# KiCad board heepidermis-bo.kicad_pcb
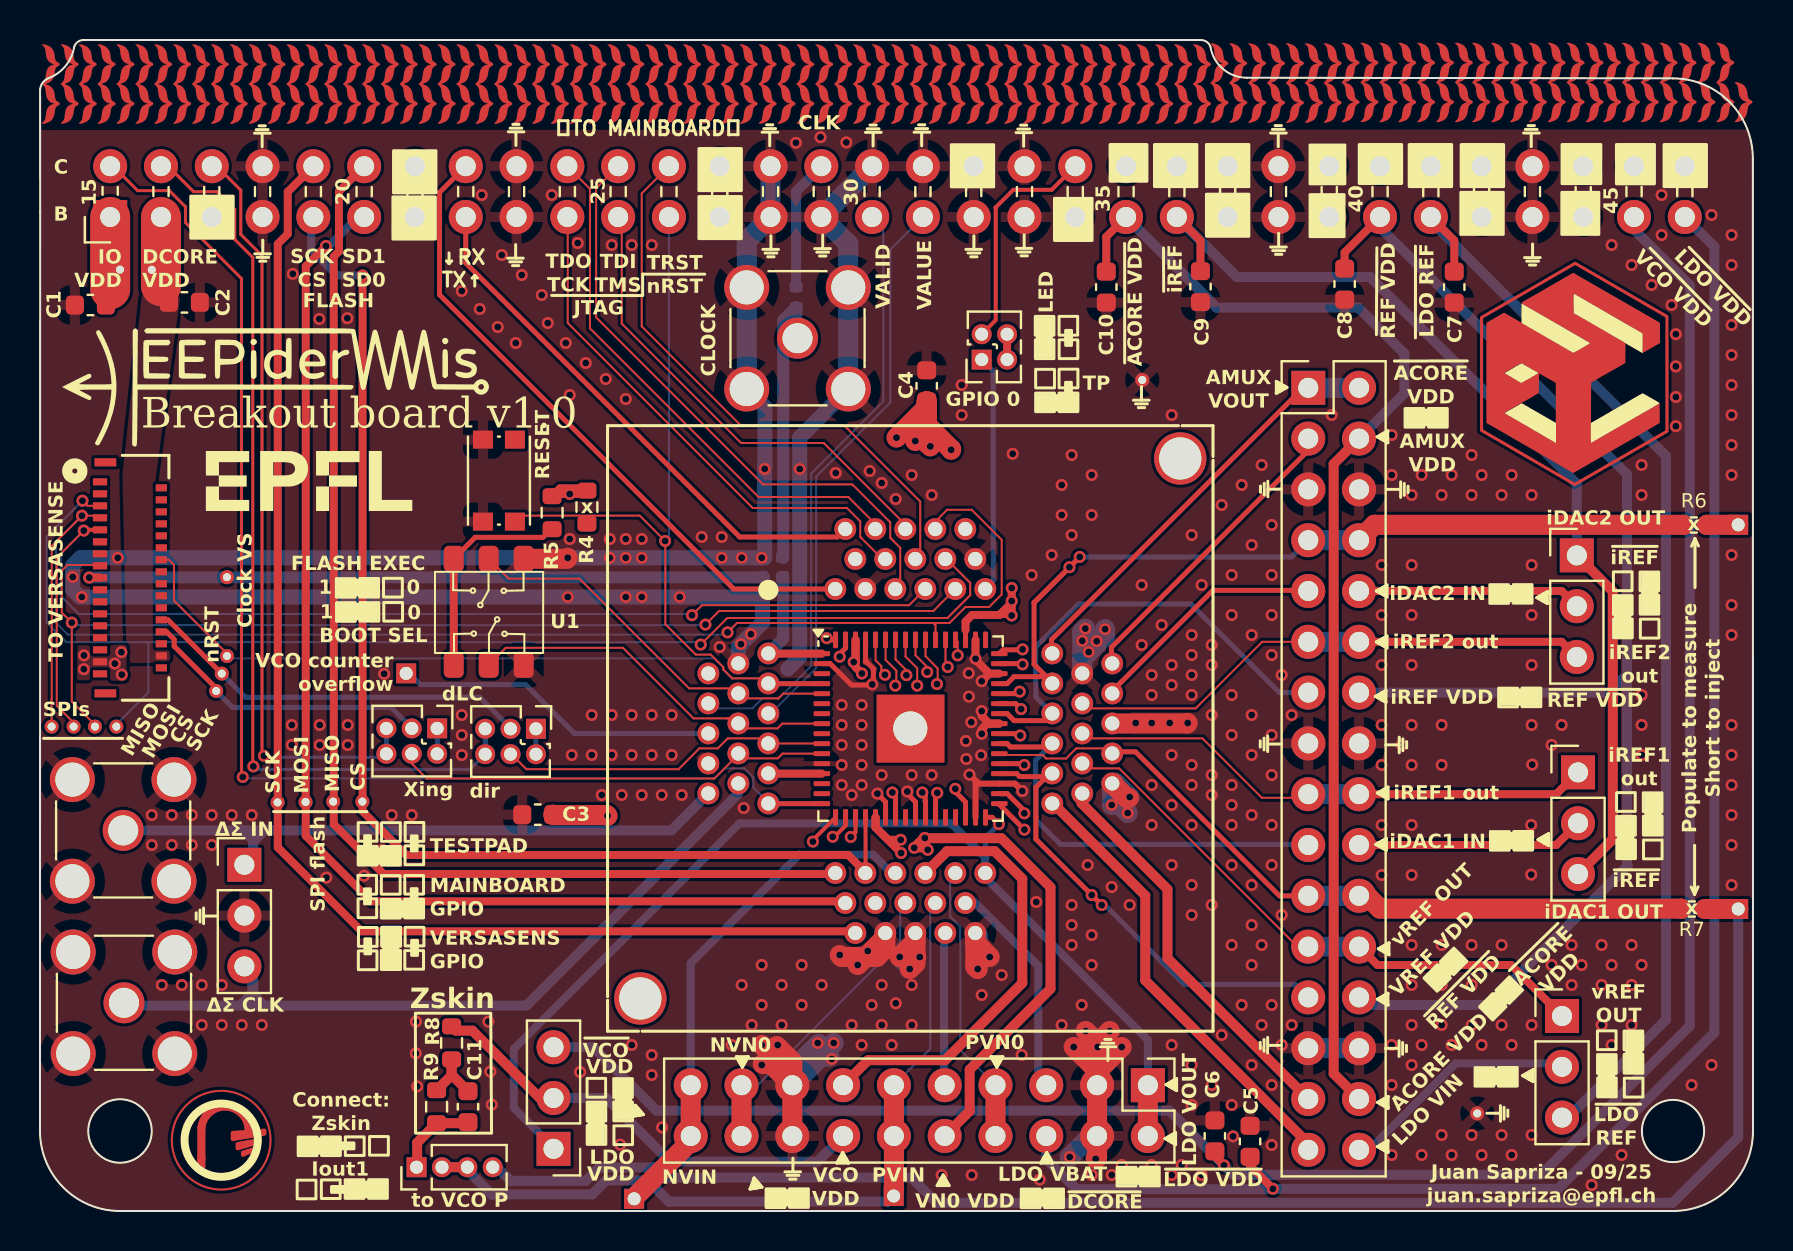
[diagram p0: board, top side]
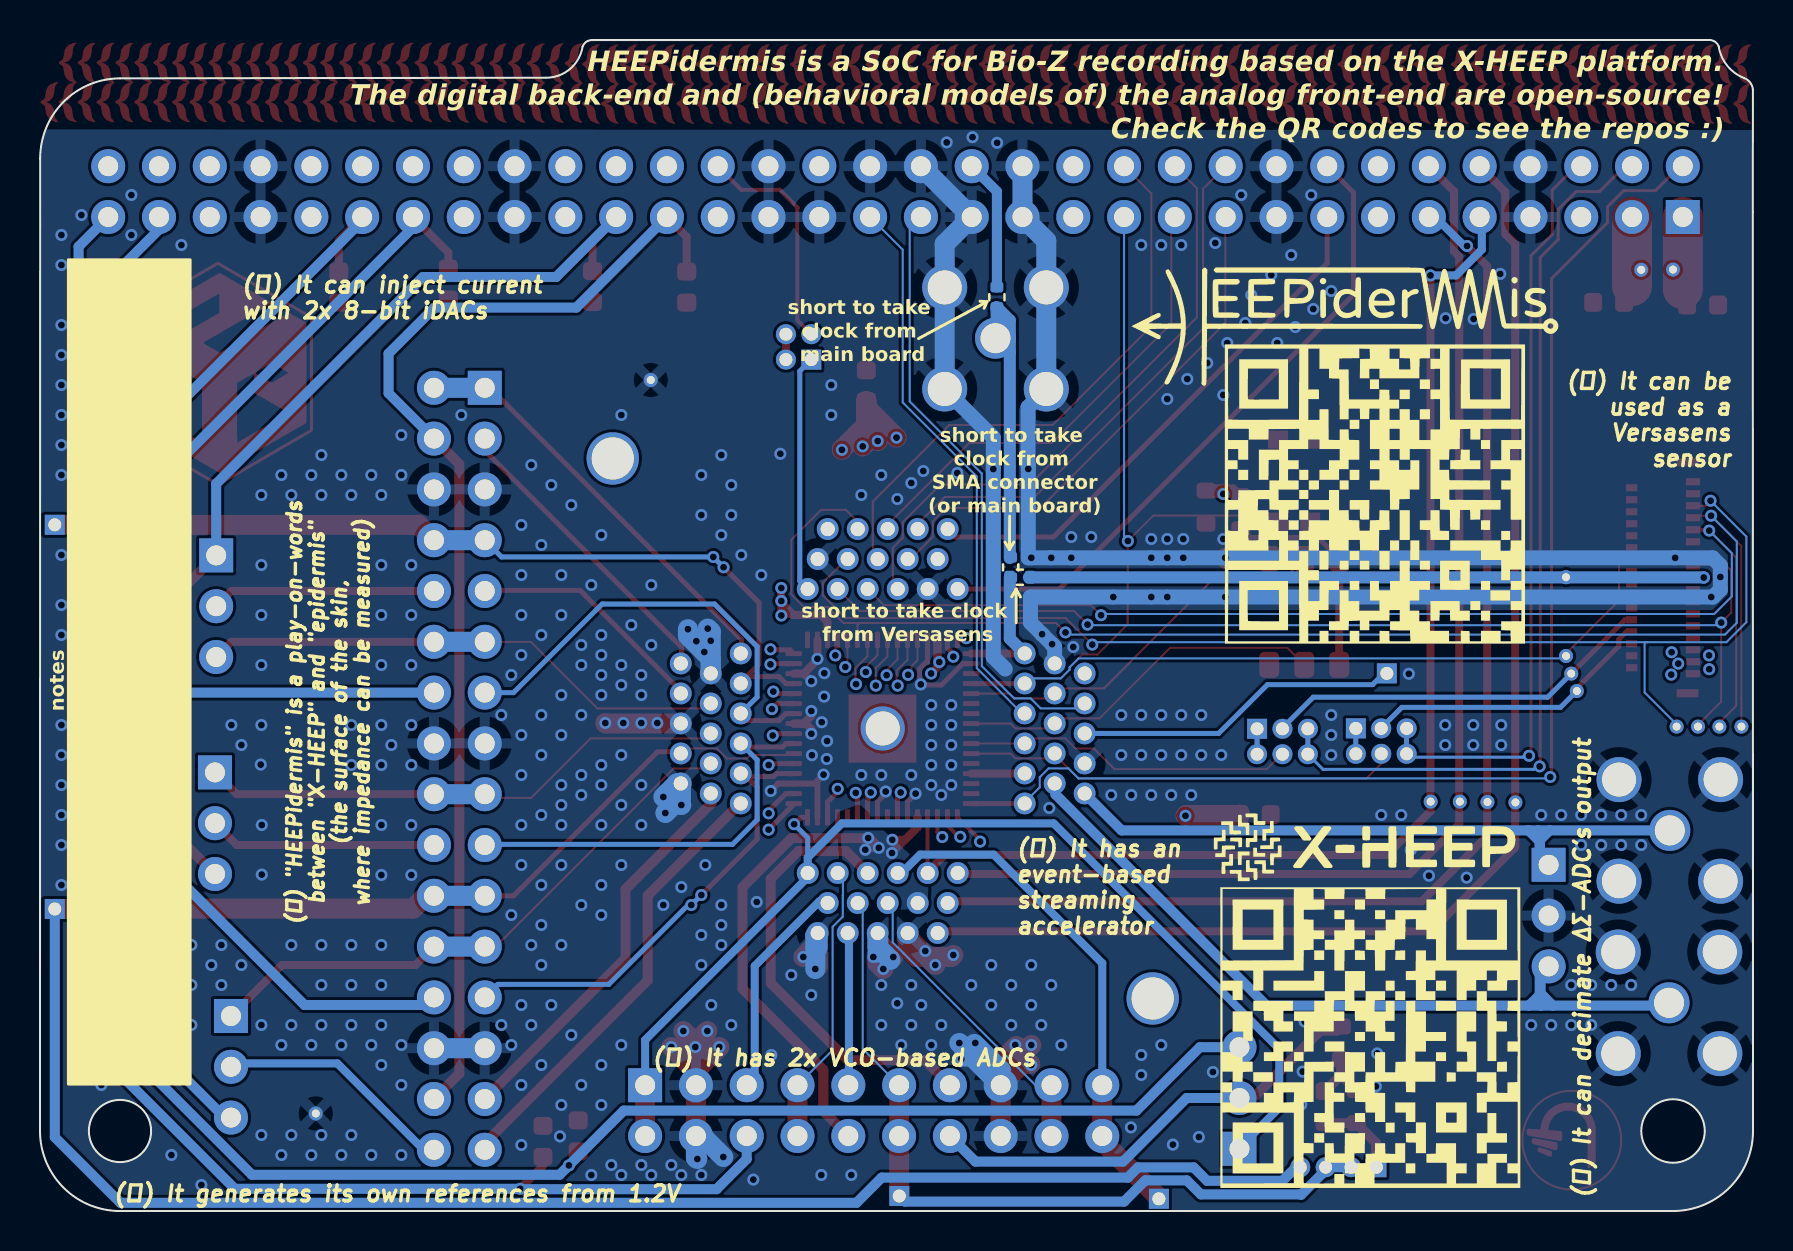
[diagram p1: board, bottom side, seen from below]

Outline 85.66 x 58.55 mm; copper layers: Top, In1.Cu, In2.Cu, Bottom. Coordinates in mm from the lower left corner of the outline.
Outline path: circle c4,4 r1.59 ; circle c81.66,4 r1.56 ; 0.01,56.07 arc(0.14,56.43) 0.45,56.65 arc(1.29,57.27) 1.71,58.22 arc(1.9,58.46) 2.19,58.55 58.05,58.55 arc(58.34,58.46) 58.52,58.22 ; 0.01,56.07 0.01,49.94 0,3.94 arc(1.17,1.17) 3.94,0 81.66,0 arc(84.49,1.17) 85.66,4 85.65,52.63 arc(84.48,55.46) 81.65,56.63 60.36,56.66 ; 60.35,56.66 arc(59.15,57.1) 58.53,58.22
Stack: Top 0.035mm / dielectric 0.2104mm FR4 er 4.5 / In1.Cu 0.0152mm / dielectric 1.065mm FR4 er 4.5 / In2.Cu 0.0152mm / dielectric 0.2104mm FR4 er 4.5 / Bottom 0.035mm

## Placement (name value [footprint] x y rotation side)
C1  100n  [C_0603_1608Metric]  2.52 45.3 180 top
C2  100n  [C_0603_1608Metric]  7.22 45.43 0 top
C3  100n  [C_0603_1608Metric]  24.89 19.82 180 top
C4  100n  [C_0603_1608Metric]  44.34 41.26 90 top
C5  100n  [C_0603_1608Metric]  60.51 3.48 90 top
C6  100n  [C_0603_1608Metric]  58.75 3.75 90 top
C7  100n  [C_0603_1608Metric]  70.72 46.19 270 top
C8  100n  [C_0603_1608Metric]  65.24 46.34 270 top
C9  100n  [C_0603_1608Metric]  58.03 46.22 270 top
C10  100n  [C_0603_1608Metric]  53.32 46.19 270 top
C11  Cp_skin  [C_0603_1608Metric]  21.4 5.21 270 top  (not fitted)
G***  -  [LOGO]  77.69 55.44 0 top
G***#2  -  [LOGO]  52.39 55.36 0 top
G***#3  -  [LOGO]  85.14 55.44 0 top
G***#4  -  [LOGO]  63.65 55.41 0 top
G***#5  -  [LOGO]  45.78 55.36 0 top
G***#6  -  [LOGO]  15.56 57.33 0 top
G***#7  -  [LOGO]  30.67 57.33 0 top
G***#8  -  [LOGO]  66.43 57.41 0 top
G***#9  -  [LOGO]  37.28 57.33 0 top
G***#10  -  [LOGO]  26.89 55.36 0 top
G***#11  -  [LOGO]  24.06 55.36 0 top
G***#12  -  [LOGO]  8.95 55.36 0 top
G***#13  -  [LOGO]  23.12 55.36 0 top
G***#14  -  [LOGO]  27.84 57.33 0 top
G***#15  -  [LOGO]  79.5 55.44 0 top
G***#16  -  [LOGO]  58.93 57.38 0 top
G***#17  -  [LOGO]  53.34 55.36 0 top
G***#18  -  [LOGO]  47.67 55.36 0 top
G***#19  -  [LOGO]  31.62 55.36 0 top
G***#20  -  [LOGO]  15.56 55.36 0 top
G***#21  -  [LOGO]  18.39 57.33 0 top
G***#22  -  [LOGO]  30.67 55.36 0 top
G***#23  -  [LOGO]  65.49 55.44 0 top
G***#24  -  [LOGO]  35.39 57.33 0 top
G***#25  -  [LOGO]  42.95 55.36 0 top
G***#26  -  [LOGO]  72.96 55.44 0 top
G***#27  -  [LOGO]  71.15 57.41 0 top
G***#28  -  [LOGO]  55.22 57.33 0 top
G***#29  -  [LOGO]  0.49 57.33 0 top
G***#30  -  [LOGO]  54.28 55.36 0 top
G***#31  -  [LOGO]  45.78 57.33 0 top
G***#32  -  [LOGO]  7.06 57.33 0 top
G***#33  -  [LOGO]  62.71 55.41 0 top
G***#34  -  [LOGO]  13.46 36.5 0 top
G***#35  -  [LOGO]  8 57.33 0 top
G***#36  -  [LOGO]  47.67 57.33 0 top
G***#37  -  [LOGO]  83.28 57.41 0 top
G***#38  -  [LOGO]  44.83 57.33 0 top
G***#39  -  [LOGO]  20.28 55.36 0 top
G***#40  -  [LOGO]  35.39 55.36 0 top
G***#41  -  [LOGO]  33.51 55.36 0 top
G***#42  -  [LOGO]  25.95 55.36 0 top
G***#43  -  [LOGO]  11.78 57.33 0 top
G***#44  -  [LOGO]  73.91 55.44 0 top
G***#45  -  [LOGO]  22.17 55.36 0 top
G***#46  -  [LOGO]  34.45 55.36 0 top
G***#47  -  [LOGO]  23.11 57.33 0 top
G***#48  -  [LOGO]  76.74 55.44 0 top
G***#49  -  [LOGO]  44.84 55.36 0 top
G***#50  -  [LOGO]  61.76 57.38 0 top
G***#51  -  [LOGO]  54.28 57.33 0 top
G***#52  -  [LOGO]  28.78 55.36 0 top
G***#53  -  [LOGO]  82.33 57.41 0 top
G***#54  -  [LOGO]  73.91 57.41 0 top
G***#55  -  [LOGO]  8.01 55.36 0 top
G***#56  -  [LOGO]  79.5 57.41 0 top
G***#57  -  [LOGO]  76.74 57.41 0 top
G***#58  -  [LOGO]  3.28 55.36 0 top
G***#59  -  [LOGO]  28.78 57.33 0 top
G***#60  -  [LOGO]  69.27 55.44 0 top
G***#61  -  [LOGO]  1.44 57.33 0 top
G***#62  -  [LOGO]  43.89 55.36 0 top
G***#63  -  [LOGO]  42 55.36 0 top
G***#64  -  [LOGO]  58.93 55.41 0 top
G***#65  -  [LOGO]  68.32 57.41 0 top
G***#66  -  [LOGO]  74.85 57.41 0 top
G***#67  -  [LOGO]  41.06 55.36 0 top
G***#68  -  [LOGO]  55.23 55.36 0 top
G***#69  -  [LOGO]  64.59 57.38 0 top
G***#70  -  [LOGO]  20.28 57.33 0 top
G***#71  -  [LOGO]  29.73 55.36 0 top
G***#72  -  [LOGO]  32.56 57.33 0 top
G***#73  -  [LOGO]  49.56 57.33 0 top
G***#74  -  [LOGO]  50.5 57.33 0 top
G***#75  -  [LOGO]  10.84 57.33 0 top
G***#76  -  [LOGO]  74.85 55.44 0 top
G***#77  -  [LOGO]  38.22 57.33 0 top
G***#78  -  [LOGO]  70.21 57.41 0 top
G***#79  -  [LOGO]  48.62 55.36 0 top
G***#80  -  [LOGO]  38.23 55.36 0 top
G***#81  -  [LOGO]  19.34 55.36 0 top
G***#82  -  [LOGO]  37.28 55.36 0 top
G***#83  -  [LOGO]  42.95 57.33 0 top
G***#84  -  [LOGO]  39.17 55.36 0 top
G***#85  -  [LOGO]  24.06 57.33 0 top
G***#86  -  [LOGO]  52.39 57.33 0 top
G***#87  -  [LOGO]  81.39 55.44 0 top
G***#88  -  [LOGO]  65.49 57.41 0 top
G***#89  -  [LOGO]  6.12 55.36 0 top
G***#90  -  [LOGO]  26.89 57.33 0 top
G***#91  -  [LOGO]  72.02 57.41 0 top
G***#92  -  [LOGO]  13.67 55.36 0 top
G***#93  -  [LOGO]  80.45 57.41 0 top
G***#94  -  [LOGO]  2.34 57.33 0 top
G***#95  -  [LOGO]  40.11 57.33 0 top
G***#96  -  [LOGO]  16.51 55.36 0 top
G***#97  -  [LOGO]  63.65 57.38 0 top
G***#98  -  [LOGO]  67.38 57.41 0 top
G***#99  -  [LOGO]  14.61 57.33 0 top
G***#100  -  [LOGO]  33.5 57.33 0 top
G***#101  -  [LOGO]  43.89 57.33 0 top
G***#102  -  [LOGO]  4.23 57.33 0 top
G***#103  -  [LOGO]  58.06 55.36 0 top
G***#104  -  [LOGO]  19.34 57.33 0 top
G***#105  -  [LOGO]  83.28 55.44 0 top
G***#106  -  [LOGO]  40.12 55.36 0 top
G***#107  -  [LOGO]  3.28 57.33 0 top
G***#108  -  [LOGO]  13.67 57.33 0 top
G***#109  -  [LOGO]  67.38 55.44 0 top
G***#110  -  [LOGO]  53.33 57.33 0 top
G***#111  -  [LOGO]  51.45 57.33 0 top
G***#112  -  [LOGO]  61.76 55.41 0 top
G***#113  -  [LOGO]  16.5 57.33 0 top
G***#114  -  [LOGO]  5.17 55.36 0 top
G***#115  -  [LOGO]  60.82 55.41 0 top
G***#116  -  [LOGO]  11.78 55.36 0 top
G***#117  -  [LOGO]  17.45 57.33 0 top
G***#118  -  [LOGO]  69.26 57.41 0 top
G***#119  -  [LOGO]  10.84 55.36 0 top
G***#120  -  [LOGO]  64.6 55.41 0 top
G***#121  -  [LOGO]  25 57.33 0 top
G***#122  -  [LOGO]  21.22 57.33 0 top
G***#123  -  [LOGO]  21.23 55.36 0 top
G***#124  -  [LOGO]  4.23 55.36 0 top
G***#125  -  [LOGO]  14.62 55.36 0 top
G***#126  -  [LOGO]  78.56 55.44 0 top
G***#127  -  [LOGO]  2.34 55.36 0 top
G***#128  -  [LOGO]  77.68 57.41 0 top
G***#129  -  [LOGO]  0.49 55.36 0 top
G***#130  -  [LOGO]  51.45 55.36 0 top
G***#131  -  [LOGO]  62.7 57.38 0 top
G***#132  -  [LOGO]  7.06 55.36 0 top
G***#133  -  [LOGO]  1.44 55.36 0 top
G***#134  -  [LOGO]  42 57.33 0 top
G***#135  -  [LOGO]  72.96 57.41 0 top
G***#136  -  [LOGO]  72.02 55.44 0 top
G***#137  -  [LOGO]  46.73 55.36 0 top
G***#138  -  [LOGO]  84.22 57.41 0 top
G***#139  -  [LOGO]  57.11 57.33 0 top
G***#140  -  [LOGO]  70.21 55.44 0 top
G***#141  -  [LOGO]  75.79 57.41 0 top
G***#142  -  [LOGO]  48.61 57.33 0 top
G***#143  -  [LOGO]  56.17 55.36 0 top
G***#144  -  [LOGO]  46.72 57.33 0 top
G***#145  -  [LOGO]  68.32 55.44 0 top
G***#146  -  [LOGO]  66.43 55.44 0 top
G***#147  -  [LOGO]  59.87 57.38 0 top
G***#148  -  [LOGO]  5.17 57.33 0 top
G***#149  -  [LOGO]  27.84 55.36 0 top
G***#150  -  [LOGO]  58.06 57.33 0 top
G***#151  -  [LOGO]  39.17 57.33 0 top
G***#152  -  [LOGO]  22.17 57.33 0 top
G***#153  -  [LOGO]  29.72 57.33 0 top
G***#154  -  [LOGO]  36.34 55.36 0 top
G***#155  -  [LOGO]  9.89 57.33 0 top
G***#156  -  [LOGO]  41.06 57.33 0 top
G***#157  -  [LOGO]  17.45 55.36 0 top
G***#158  -  [LOGO]  59.87 55.41 0 top
G***#159  -  [LOGO]  25.95 57.33 0 top
G***#160  -  [LOGO]  11.53 41.44 0 top
G***#161  -  [LOGO]  84.23 55.44 0 top
G***#162  -  [LOGO]  56.17 57.33 0 top
G***#163  -  [LOGO]  12.72 57.33 0 top
G***#164  -  [LOGO]  57.12 55.36 0 top
G***#165  -  [LOGO]  9.9 55.36 0 top
G***#166  -  [LOGO]  78.56 57.41 0 top
G***#167  -  [LOGO]  71.16 55.44 0 top
G***#168  -  [LOGO]  18.39 55.36 0 top
G***#169  -  [LOGO]  6.11 57.33 0 top
G***#170  -  [LOGO]  31.61 57.33 0 top
G***#171  -  [LOGO]  75.8 55.44 0 top
G***#172  -  [LOGO]  49.56 55.36 0 top
G***#173  -  [LOGO]  32.56 55.36 0 top
G***#174  -  [LOGO]  8.95 57.33 0 top
G***#175  -  [LOGO]  36.33 57.33 0 top
G***#176  -  [LOGO]  50.5 55.36 0 top
G***#177  -  [LOGO]  34.45 57.33 0 top
G***#178  -  [LOGO]  81.39 57.41 0 top
G***#179  -  [LOGO]  80.45 55.44 0 top
G***#180  -  [LOGO]  25.01 55.36 0 top
G***#181  -  [LOGO]  12.73 55.36 0 top
G***#182  -  [LOGO]  60.82 57.38 0 top
G***#183  -  [LOGO]  82.34 55.44 0 top
G***#184  -  [LOGO]  19.39 18.2 180 bottom
G***#185  -  [LOGO]  19.15 8.67 180 bottom
G***#186  -  [LOGO]  18.92 35.86 180 bottom
G***#187  -  [LOGO]  20.65 44.48 180 bottom
HEEPidermis1  264-5205-01  [CONN_5205_3MM]  36.42 27.88 0 top
HEEPidermis2  264-5205-01  [QFN-64-1EP_9x9mm_P0.5mm_EP3.4x3.4mm]  43.53 24.12 0 top
J1  Conn_01x03  [PinHeader_1x01_P1.27mm_Vertical]  18.31 26.88 180 top
J2  5025983393  [CONN_502598-3393_MOL]  4.54 31.66 270 top
J3  Conn_01x03  [TestPoint_THTPad_1.0x1.0mm_Drill0.5mm]  14.66 20.47 0 top
J4  Conn_01x03  [TestPoint_THTPad_1.0x1.0mm_Drill0.5mm]  13.28 20.45 0 top
J5  Conn_01x03  [PinHeader_2x03_P1.27mm_Vertical]  24.8 24.11 270 top
J6  Conn_01x03  [PinHeader_2x03_P1.27mm_Vertical]  19.86 24.13 270 top
J7  Conn_01x03  [PinHeader_1x03_P2.54mm_Vertical]  10.22 17.31 0 top
J8  Conn_01x03  [PinHeader_2x02_P1.27mm_Vertical]  47.09 42.57 90 top
J9  Conn_Boaxial  [SMA_Amphenol_901-144_Vertical]  4.2 10.41 0 top
J10  Conn_Boaxial  [SMA_Amphenol_901-144_Vertical]  4.16 19.03 0 top
J11  Conn_Boaxial  [SMA_Amphenol_901-144_Vertical]  37.88 43.64 0 top
J12  Conn_01x03  [PinHeader_1x03_P2.54mm_Vertical]  76.91 21.93 0 top
J13  Conn_01x03  [PinHeader_1x03_P2.54mm_Vertical]  76.85 32.78 0 top
J14  Conn_01x03  [PinHeader_1x01_P1.27mm_Vertical]  84.92 34.31 90 top
J15  Conn_02x16_Odd_Even  [PinHeader_2x16_P2.54mm_Vertical]  63.42 41.16 0 top
J16  Conn_01x03  [TestPoint_THTPad_1.0x1.0mm_Drill0.5mm]  11.88 20.43 0 top
J17  Conn_02x10_Odd_Even  [PinHeader_2x10_P2.54mm_Vertical]  55.4 6.29 270 top
J18  Conn_01x03  [PinHeader_1x01_P1.27mm_Vertical]  84.92 15.1 90 top
J19  Conn_01x03  [PinHeader_1x03_P2.54mm_Vertical]  76.11 9.75 0 top
J20  Conn_01x03  [PinHeader_1x03_P2.54mm_Vertical]  25.68 3.11 180 top
J21  Conn_01x03  [PinHeader_1x01_P1.27mm_Vertical]  29.71 0.61 0 top
J22  Conn_01x03  [PinHeader_1x01_P1.27mm_Vertical]  42.69 0.75 0 top
J23  Conn_02x29_Top_Bottom  [PinHeader_2x32_P2.54mm_Horizontal]  3.51 49.7 90 top
J24  Conn_01x03  [TestPoint_THTPad_1.0x1.0mm_Drill0.5mm]  16.12 20.47 0 top
J25  Conn_01x03  [TestPoint_THTPad_1.0x1.0mm_Drill0.5mm]  2.75 24.22 0 top
J26  Conn_01x03  [TestPoint_THTPad_1.0x1.0mm_Drill0.5mm]  3.82 24.22 0 top
J27  Conn_01x03  [TestPoint_THTPad_1.0x1.0mm_Drill0.5mm]  0.58 24.22 0 top
J28  Conn_01x03  [TestPoint_THTPad_1.0x1.0mm_Drill0.5mm]  1.68 24.22 0 top
J29  Conn_01x03  [TestPoint_THTPad_1.0x1.0mm_Drill0.5mm]  55.12 41.55 0 top
J30  Conn_01x03  [TestPoint_THTPad_1.0x1.0mm_Drill0.5mm]  71.87 4.88 0 top
J31  Conn_01x03  [TestPoint_THTPad_1.0x1.0mm_Drill0.5mm]  4 47.07 0 top
J32  Conn_01x03  [TestPoint_THTPad_1.0x1.0mm_Drill0.5mm]  5.59 47.06 0 top
J33  Conn_01x03  [TestPoint_THTPad_1.0x1.0mm_Drill0.5mm]  9.35 27.75 0 top
J34  Conn_01x03  [TestPoint_THTPad_1.0x1.0mm_Drill0.5mm]  9.09 26.87 0 top
J35  Conn_01x03  [TestPoint_THTPad_1.0x1.0mm_Drill0.5mm]  8.81 26 0 top
J36  Conn_01x03  [TestPoint_THTPad_1.0x1.0mm_Drill0.5mm]  9.35 31.69 0 top
J37  Conn_01x02  [PinHeader_1x04_P1.27mm_Vertical]  18.83 2.19 90 top
R1  0R  [R_0402_1005Metric]  36.66 31.69 180 bottom  (not fitted)
R2  0R  [R_0402_1005Metric]  37.12 32.18 270 bottom  (not fitted)
R3  0R  [R_0402_1005Metric]  37.81 45.69 270 bottom  (not fitted)
R4  1k  [R_0603_1608Metric]  27.35 35.19 90 top  (not fitted)
R5  10k  [R_0603_1608Metric]  25.61 34.91 90 top
R6  0R  [R_0402_1005Metric]  82.7 34.3 0 top  (not fitted)
R7  0R  [R_0402_1005Metric]  82.6 15.1 0 top  (not fitted)
R8  Rs_skin  [R_0603_1608Metric]  20.58 8.4 90 top  (not fitted)
R9  Rp_skin  [R_0603_1608Metric]  19.83 5.21 90 top  (not fitted)
REF**  -  [leprechaun]  6.81 1.5 0 top
REF**#2  -  [ESL]  76.82 36.94 0 top
SW1  SW_Push  [SW_Push_1P1T_NO_CK_KMR2]  22.95 36.52 270 top
U1  ~  [SPDT-2pos-CAS-D20B1]  22.44 29.96 0 top

## Library data of the parts
C1-C11 = -: Description: Unpolarized capacitor, small symbol; Digikey Part Number: 399-9158-1-ND; Mouser Part Number: 80-C0805C104Z3V; LCSC: C30926; ki_fp_filters: C_*
HEEPidermis1 HEEPidermis2 = -: ki_fp_filters: CONN_5205_3MM
J1 J3 J4 J14 J16 J18 J21 J22 J24-J36 = -: Description: Generic connector, single row, 01x01, script generated (kicad-library-utils/schlib/autogen/connector/); ki_fp_filters: Connector*:*_1x??_*
J2 = -: Datasheet: https://www.molex.com/en-us/products/part-detail-pdf/5025983393?display=pdf; ki_fp_filters: CONN_502598-3393_MOL
J5 J6 = -: Description: Generic connector, double row, 02x03, odd/even pin numbering scheme (row 1 odd numbers, row 2 even numbers), script generated (kicad-library-utils/schlib/autogen/connector/); ki_fp_filters: Connector*:*_2x??_*
J7 J12 J13 J19 J20 = -: Description: Generic connector, single row, 01x03, script generated (kicad-library-utils/schlib/autogen/connector/); ki_fp_filters: Connector*:*_1x??_*
J8 = -: Description: Generic connector, double row, 02x02, odd/even pin numbering scheme (row 1 odd numbers, row 2 even numbers), script generated (kicad-library-utils/schlib/autogen/connector/); ki_fp_filters: Connector*:*_2x??_*
J9-J11 = -: Description: coaxial connector (BNC, SMA, SMB, SMC, Cinch/RCA, LEMO, ...); ki_fp_filters: *BNC* *SMA* *SMB* *SMC* *Cinch* *LEMO* *UMRF* *MCX* *U.FL*
J15 = -: Description: Generic connector, double row, 02x16, odd/even pin numbering scheme (row 1 odd numbers, row 2 even numbers), script generated (kicad-library-utils/schlib/autogen/connector/); ki_fp_filters: Connector*:*_2x??_*
J17 = -: Description: Generic connector, double row, 02x10, odd/even pin numbering scheme (row 1 odd numbers, row 2 even numbers), script generated (kicad-library-utils/schlib/autogen/connector/); ki_fp_filters: Connector*:*_2x??_*
J23 = -: Description: Generic connector, double row, 02x32, odd/even pin numbering scheme (row 1 odd numbers, row 2 even numbers), script generated (kicad-library-utils/schlib/autogen/connector/); ki_fp_filters: Connector*:*_2x??_*
J37 = -: Description: Generic connector, single row, 01x04, script generated (kicad-library-utils/schlib/autogen/connector/); ki_fp_filters: Connector*:*_1x??_*
R1-R3 R6 R7 = -: Description: Resistor; ki_fp_filters: R_*
R4 R5 R8 R9 = -: Description: Resistor; LCSC: C21190; ki_fp_filters: R_*
SW1 = -: Description: Push button switch, generic, two pins
U1 = -: Description: https://www.lcsc.com/product-detail/C3664662.html?s_z=n_SWITCH%2520DIP%2520SPDT; ki_fp_filters: SW*DPDT*

## Footprints (pads in the part's own frame, mm; a bottom-side part is the same pattern mirrored in y, then rotated)
C_0603_1608Metric
  rrect 0.9x0.95 smd: 1(-0.775,0) 2(0.775,0)
CONN_5205_3MM
  round 1.092 hole 0.711: 1(0,0) 2(-1.5,-0.5) 3(-2.999,-1) 4(0,-1.5) 5(-1.5,-2) 6(-2.999,-2.5) 7(0,-3) 8(-1.5,-3.5) 9(-2.999,-4) 10(0,-4.5) 11(-1.5,-5) 12(-2.999,-5.5) 13(0,-6) 14(-1.5,-6.5) 15(-2.999,-7) 16(0,-7.5) 17(3.349,-10.978) 18(3.849,-12.478) 19(4.349,-13.977) 20(4.849,-10.978) 21(5.349,-12.478) 22(5.849,-13.977) 23(6.349,-10.978) 24(6.849,-12.478) 25(7.349,-13.977) 26(7.849,-10.978) 27(8.349,-12.478) 28(8.849,-13.977) 29(9.349,-10.978) 30(9.849,-12.478) 31(10.349,-13.977) 32(10.849,-10.978) 33(14.199,-7.5) 34(15.698,-7) 35(17.198,-6.5) 36(14.199,-6) 37(15.698,-5.5) 38(17.198,-5) 39(14.199,-4.5) 40(15.698,-4) 41(17.198,-3.5) 42(14.199,-3) 43(15.698,-2.5) 44(17.198,-2) 45(14.199,-1.5) 46(15.698,-1) 47(17.198,-0.5) 48(14.199,0) 49(10.849,3.222) 50(10.349,4.722) 51(9.849,6.221) 52(9.349,3.222) 53(8.849,4.722) 54(8.349,6.221) 55(7.849,3.222) 56(7.349,4.722) 57(6.849,6.221) 58(6.349,3.222) 59(5.849,4.722) 60(5.349,6.221) 61(4.849,3.222) 62(4.349,4.722) 63(3.849,6.221) 64(3.349,3.222)
  round 2.21 hole 1.702: 65(7.099,-3.75)
  round 2.616 hole 2.108: 66(-6.401,-17.25) 67(20.599,9.75)
CONN_502598-3393_MOL
  rect 0.356x0.711 smd: 1(-4.8,-1.537) 3(-4.2,-1.537) 5(-3.6,-1.537) 7(-3,-1.537) 9(-2.4,-1.537) 11(-1.8,-1.537) 13(-1.2,-1.537) 15(-0.6,-1.537) 17(0,-1.537) 19(0.6,-1.537) 21(1.2,-1.537) 23(1.8,-1.537) 25(2.4,-1.537) 27(3,-1.537) 29(3.6,-1.537) 31(4.2,-1.537) 33(4.8,-1.537)
  rect 0.356x0.559 smd: 2(-4.5,1.528) 4(-3.9,1.528) 6(-3.3,1.528) 8(-2.7,1.528) 10(-2.1,1.528) 12(-1.5,1.528) 14(-0.9,1.528) 16(-0.3,1.528) 18(0.3,1.528) 20(0.9,1.528) 22(1.5,1.528) 24(2.1,1.528) 26(2.7,1.528) 28(3.3,1.528) 30(3.9,1.528) 32(4.5,1.528)
  rect 0.406x1.092 smd: 34(-5.775,-1.272) 35(5.775,-1.272)
PinHeader_1x01_P1.27mm_Vertical
  rect 1x1 hole 0.65: 1(0,0)
PinHeader_1x03_P2.54mm_Vertical
  rect 1.7x1.7 hole 1: 1(0,0)
  oval 1.7x1.7 hole 1: 2(0,-2.54) 3(0,-5.08)
PinHeader_1x04_P1.27mm_Vertical
  rect 1x1 hole 0.65: 1(0,0)
  oval 1x1 hole 0.65: 2(0,-1.27) 3(0,-2.54) 4(0,-3.81)
PinHeader_2x02_P1.27mm_Vertical
  rect 1x1 hole 0.65: 1(0,0)
  oval 1x1 hole 0.65: 2(1.27,0) 3(0,-1.27) 4(1.27,-1.27)
PinHeader_2x03_P1.27mm_Vertical
  rect 1x1 hole 0.65: 1(0,0)
  oval 1x1 hole 0.65: 2(1.27,0) 3(0,-1.27) 4(1.27,-1.27) 5(0,-2.54) 6(1.27,-2.54)
PinHeader_2x10_P2.54mm_Vertical
  rect 1.7x1.7 hole 1: 1(0,0)
  oval 1.7x1.7 hole 1: 2(2.54,0) 3(0,-2.54) 4(2.54,-2.54) 5(0,-5.08) 6(2.54,-5.08) 7(0,-7.62) 8(2.54,-7.62) 9(0,-10.16) 10(2.54,-10.16) 11(0,-12.7) 12(2.54,-12.7) 13(0,-15.24) 14(2.54,-15.24) 15(0,-17.78) 16(2.54,-17.78) 17(0,-20.32) 18(2.54,-20.32) 19(0,-22.86) 20(2.54,-22.86)
PinHeader_2x16_P2.54mm_Vertical
  rect 1.7x1.7 hole 1: 1(0,0)
  oval 1.7x1.7 hole 1: 2(2.54,0) 3(0,-2.54) 4(2.54,-2.54) 5(0,-5.08) 6(2.54,-5.08) 7(0,-7.62) 8(2.54,-7.62) 9(0,-10.16) 10(2.54,-10.16) 11(0,-12.7) 12(2.54,-12.7) 13(0,-15.24) 14(2.54,-15.24) 15(0,-17.78) 16(2.54,-17.78) 17(0,-20.32) 18(2.54,-20.32) 19(0,-22.86) 20(2.54,-22.86) 21(0,-25.4) 22(2.54,-25.4) 23(0,-27.94) 24(2.54,-27.94) 25(0,-30.48) 26(2.54,-30.48) 27(0,-33.02) 28(2.54,-33.02) 29(0,-35.56) 30(2.54,-35.56) 31(0,-38.1) 32(2.54,-38.1)
PinHeader_2x32_P2.54mm_Horizontal
  rect 1.7x1.7 hole 1: 1(0,0)
  oval 1.7x1.7 hole 1: 2(2.54,0) 3(0,-2.54) 4(2.54,-2.54) 5(0,-5.08) 6(2.54,-5.08) 7(0,-7.62) 8(2.54,-7.62) 9(0,-10.16) 10(2.54,-10.16) 11(0,-12.7) 12(2.54,-12.7) 13(0,-15.24) 14(2.54,-15.24) 15(0,-17.78) 16(2.54,-17.78) 17(0,-20.32) 18(2.54,-20.32) 19(0,-22.86) 20(2.54,-22.86) 21(0,-25.4) 22(2.54,-25.4) 23(0,-27.94) 24(2.54,-27.94) 25(0,-30.48) 26(2.54,-30.48) 27(0,-33.02) 28(2.54,-33.02) 29(0,-35.56) 30(2.54,-35.56) 31(0,-38.1) 32(2.54,-38.1) 33(0,-40.64) 34(2.54,-40.64) 35(0,-43.18) 36(2.54,-43.18) 37(0,-45.72) 38(2.54,-45.72) 39(0,-48.26) 40(2.54,-48.26) 41(0,-50.8) 42(2.54,-50.8) 43(0,-53.34) 44(2.54,-53.34) 45(0,-55.88) 46(2.54,-55.88) 47(0,-58.42) 48(2.54,-58.42) 49(0,-60.96) 50(2.54,-60.96) 51(0,-63.5) 52(2.54,-63.5) 53(0,-66.04) 54(2.54,-66.04) 55(0,-68.58) 56(2.54,-68.58) 57(0,-71.12) 58(2.54,-71.12) 59(0,-73.66) 60(2.54,-73.66) 61(0,-76.2) 62(2.54,-76.2) 63(0,-78.74) 64(2.54,-78.74)
QFN-64-1EP_9x9mm_P0.5mm_EP3.4x3.4mm
  rrect 0.91x0.91 smd: (-1.13,1.13) (-1.13,0) (-1.13,-1.13) (0,1.13) (0,0) (0,-1.13) (1.13,1.13) (1.13,0) (1.13,-1.13)
  rrect 0.825x0.25 smd: 1(-4.438,3.75) 2(-4.438,3.25) 3(-4.438,2.75) 4(-4.438,2.25) 5(-4.438,1.75) 6(-4.438,1.25) 7(-4.438,0.75) 8(-4.438,0.25) 9(-4.438,-0.25) 10(-4.438,-0.75) 11(-4.438,-1.25) 12(-4.438,-1.75) 13(-4.438,-2.25) 14(-4.438,-2.75) 15(-4.438,-3.25) 16(-4.438,-3.75) 33(4.438,-3.75) 34(4.438,-3.25) 35(4.438,-2.75) 36(4.438,-2.25) 37(4.438,-1.75) 38(4.438,-1.25) 39(4.438,-0.75) 40(4.438,-0.25) 41(4.438,0.25) 42(4.438,0.75) 43(4.438,1.25) 44(4.438,1.75) 45(4.438,2.25) 46(4.438,2.75) 47(4.438,3.25) 48(4.438,3.75)
  rrect 0.25x0.825 smd: 17(-3.75,-4.438) 18(-3.25,-4.438) 19(-2.75,-4.438) 20(-2.25,-4.438) 21(-1.75,-4.438) 22(-1.25,-4.438) 23(-0.75,-4.438) 24(-0.25,-4.438) 25(0.25,-4.438) 26(0.75,-4.438) 27(1.25,-4.438) 28(1.75,-4.438) 29(2.25,-4.438) 30(2.75,-4.438) 31(3.25,-4.438) 32(3.75,-4.438) 49(3.75,4.438) 50(3.25,4.438) 51(2.75,4.438) 52(2.25,4.438) 53(1.75,4.438) 54(1.25,4.438) 55(0.75,4.438) 56(0.25,4.438) 57(-0.25,4.438) 58(-0.75,4.438) 59(-1.25,4.438) 60(-1.75,4.438) 61(-2.25,4.438) 62(-2.75,4.438) 63(-3.25,4.438) 64(-3.75,4.438)
  rect 3.4x3.4 smd: 65(0,0)
R_0402_1005Metric
  rrect 0.54x0.64 smd: 1(-0.51,0) 2(0.51,0)
R_0603_1608Metric
  rrect 0.8x0.95 smd: 1(-0.825,0) 2(0.825,0)
SMA_Amphenol_901-144_Vertical
  round 2.05 hole 1.5: 1(0,0)
  round 2.25 hole 1.7: 2(-2.54,2.54) 2(-2.54,-2.54) 2(2.54,2.54) 2(2.54,-2.54)
SPDT-2pos-CAS-D20B1
  rrect 1x1.3 smd: 1(-1.75,-2.65) 2(0,-2.65) 3(1.75,-2.65) 4(-1.75,2.65) 5(0,2.65) 6(1.75,2.65)
SW_Push_1P1T_NO_CK_KMR2
  rect 0.9x1 smd: 1(-2.05,0.8) 1(2.05,0.8) 2(-2.05,-0.8) 2(2.05,-0.8)
TestPoint_THTPad_1.0x1.0mm_Drill0.5mm
  round 0.7 hole 0.4: 1(0,0)
